# Altium PCB PCB1.PcbDoc (part 2 of 3) (continued)
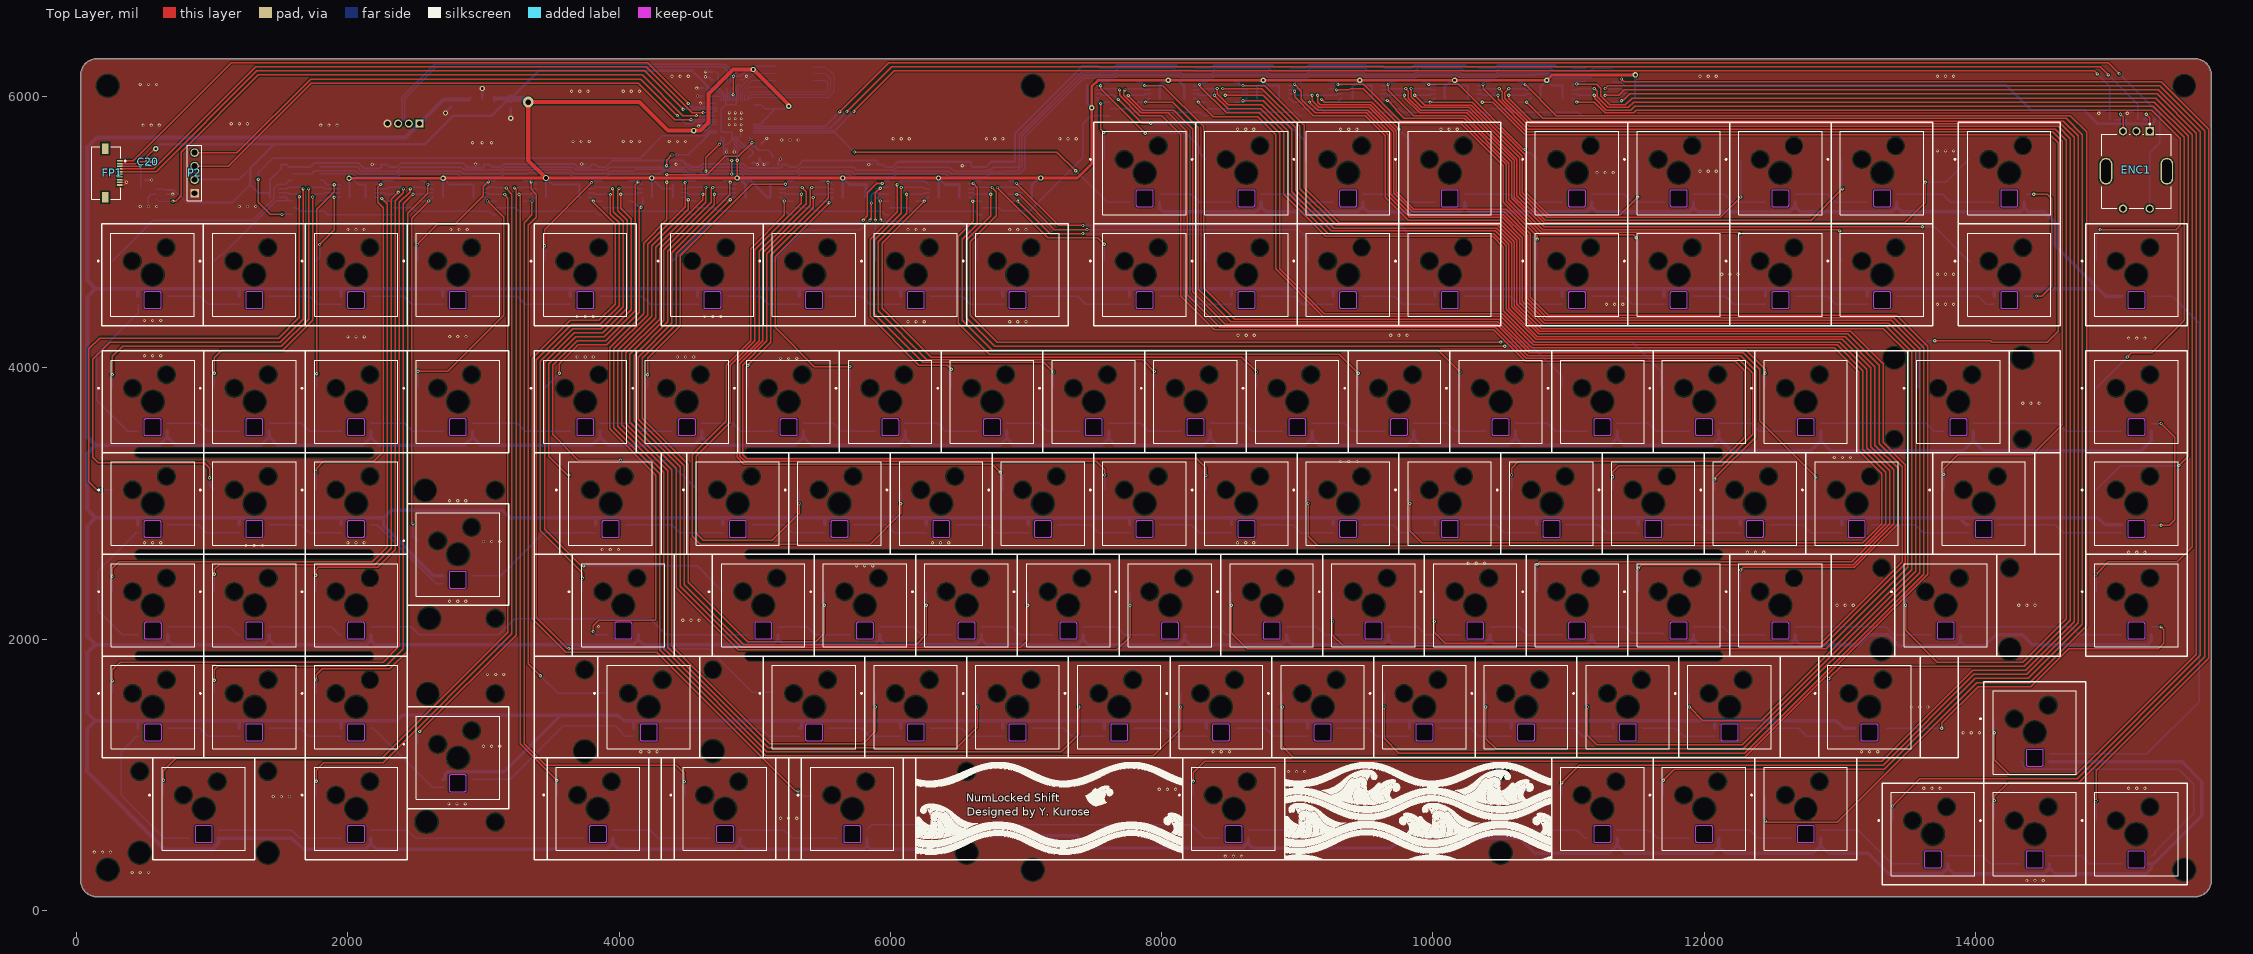
[diagram p0: Top Layer view]
## Nets (pads, with @x,y where several pads share a name; then routed paths per layer and width w, separated by ;. In a path a pad name is that pad's centre, name@x,y a point inside that pad or via, vN(x,y) a via of type N, cw(c..) or ccw(c..) an arc to the next point about the centre after c; other vN are vias at no path point) (continued)
  other v3: 4813.38,5793.38 4856.69,5793.38 4813.38,5836.69 4856.69,5836.69 4900,5836.69 4813.38,5880 4856.69,5880 4900,5880
I2C0_SCL_Display: P2.3 U3.35 | length 4208.8
  Top Layer w10: P2.3@870,5487.5 1117.5,5487.5 1120,5490 1730,6100 4140,6100 4411.81,5828.19 4528.19,5828.19 v1(4530,5830)
  Bottom Layer w10: v1(4530,5830) 4531.6,5828.4 U3.35@4711.1,5828.4
I2C0_SDA_Display: P2.4 U3.34 | length 4220.6
  Top Layer w10: P2.4@870,5587.5 1182.5,5587.5 1725,6130 4160,6130 v1(4430,5860)
  Bottom Layer w10: v1(4430,5860) 4490,5800 4540,5800 4553.07,5813.07 U3.34@4723.82,5813.07
KBLIGHT_ROW1END: LED28.2 LED29.4 | length 561.9
  Bottom Layer w10: LED28.2@668.8,3592.03 907.97,3592.03 967.03,3532.97 LED29.4@1206.2,3532.97
KBLIGHT_ROW2END: LED56.2 LED57.4 | length 561.9
  Bottom Layer w10: LED57.4@7231.3,2842.03 7477.97,2842.03 7537.03,2782.97 LED56.2@7768.7,2782.97
KBLIGHT_ROW3END: LED84.2 LED85.4 | length 561.9
  Bottom Layer w10: LED85.4@11543.8,1342.03 11787.97,1342.03 11847.03,1282.97 LED84.2@12081.2,1282.97
KBLIGHTING_IN: LED1.4 U3.14 | length 2989
  Top Layer w10: v1(5734.7,5591.55) 7228.45,5591.55 7366.28,5453.72 v1(7366.28,5453.52)
  Bottom Layer w10: U3.14@4989.57,5734.33 5591.92,5734.33 v1(5734.7,5591.55) ; v1(7366.28,5453.52) 7366.81,5453.52 7599.86,5220.47 LED1.4@7765.59,5220.47
"MATRIX QH": U3.30 U4.9 | length 4023
  Top Layer w10: v1(1340,5390) 1340,5220 1428.08,5131.92 v1(1514.65,5131.92)
  Bottom Layer w10: v1(1340,5390) 1340,5440 1447.5,5547.5 4157.5,5547.5 4320,5710 4630,5710 4670.08,5750.08 U3.30@4723.82,5750.08 ; v1(1514.65,5131.92) 1514.94,5132.21 1593.75,5132.21 U4.9@1594.04,5132.5
"MATRIX SH/LD": U3.29 U4.1 U5.1 U6.1 U7.1 U8.1 U9.1 U10.1 U11.1 U12.1 U13.1 U14.1 U15.1 U16.1 U17.1 | length 10684.6
  Top Layer w10: v1(4350,5490) 4350,5530 v1(4390,5570)
  Bottom Layer w10: U4.1@1790.96,5482.5 2067.5,5482.5 2098.41,5451.59 2362.42,5451.59 2391.24,5480.41 U5.1@2531.9,5480.41 2836.77,5480.41 2857.96,5459.23 3130.35,5459.23 3151.53,5480.41 U6.1@3292.18,5480.41 3659.59,5480.41 3680,5460 3839.7,5460 3840.47,5459.23 3910.63,5459.23 3931.81,5480.41 4337.33,5480.41 4346.92,5490 4351.29,5490 4362.67,5478.62 4504.55,5478.62 4523.94,5459.23 4600.92,5459.23 4622.1,5480.41 U8.1@4762.76,5480.41 4909.59,5480.41 4938.41,5451.59 5310.43,5451.59 5339.25,5480.41 U9.1@5479.9,5480.41 5729.59,5480.41 5753.25,5456.75 6022.73,5456.75 6046.39,5480.41 U10.1@6187.05,5480.41 6439.59,5480.41 6470,5450 6640.6,5450 6642.19,5451.59 6704.72,5451.59 6713.54,5460.41 6740.41,5460.41 6760.41,5480.41 U11.1@6874.19,5480.41 6944.14,5480.41 6950,5486.27 6950,5720 7410,6180 7584.32,6180 7585.05,6180.73 7647.58,6180.73 7676.4,6209.55 U12.1@7817.05,6209.55 8090.45,6209.55 8104.27,6195.73 8234.63,6195.73 8241.99,6188.37 8372.36,6188.37 8393.54,6209.55 U13.1@8534.2,6209.55 8790.45,6209.55 8811.63,6188.37 9072.11,6188.37 9093.29,6209.55 U14.1@9233.94,6209.55 9500.45,6209.55 9521.63,6188.37 9862.72,6188.37 9870.08,6195.73 9878.36,6195.73 U15.1@9892.18,6209.55 ; v1(4390,5570) 4511.21,5570 4675.54,5734.33 U3.29@4723.82,5734.33 ; U15.1@9918.49,6209.55 10210.45,6209.55 10231.63,6188.37 10463.8,6188.37 10484.98,6209.55 U16.1@10625.63,6209.55 10870.45,6209.55 10891.63,6188.37 11160.94,6188.37 11182.12,6209.55 U17.1@11322.78,6209.55
MCU_USB_D_N: R6.2 U3.46 | length 103.5
  Bottom Layer w10: R6.2@4785.15,6064.74 4787.07,6064.74 4791.91,6059.9 4791.91,6036.99 4795.77,6033.13 4795.95,6033.13 4801.8,6027.28 4801.8,6002.43 4801.95,6002.28 4801.95,5969.94 U3.46@4801.57,5969.57
MCU_USB_D_P: R5.2 U3.47 | length 104.4
  Bottom Layer w10: 4816.8,6027.48 4816.8,6008.64 4816.95,6008.5 4816.95,5969.94 U3.47@4817.32,5969.57 ; 4816.89,6027.39 4829.6,6040.1 4829.6,6060.1 4834.44,6064.94 R5.2@4835.86,6064.94
MCU_USB_D_R_N: P1.2 R6.1 | length 2778.5
  Bottom Layer w10: P1.2@2449.37,5801.65 2420,5831.02 2420,5990 2650,6220 4769.3,6220 4798.43,6190.88 4798.43,6117.39 R6.1@4785.15,6104.11
MCU_USB_D_R_P: P1.3 R5.1 | length 2847.5
  Bottom Layer w10: P1.3@2370.63,5801.65 2400,5831.02 2400,5998.28 2641.72,6240 4777.59,6240 4821.58,6196.01 4821.58,6118.6 4829.05,6111.13 4829.05,6109.16 4833.9,6104.31 R5.1@4835.86,6104.31
NetENC1_A: ENC1.A R1.1 R2.2 | length 234.6
  Top Layer w10: v1(15260,5870) 15285.93,5844.07 ENC1.A@15285.93,5745.28 ENC1.A@15287.72,5747.07
  Bottom Layer w10: v1(15260,5870) 15258.47,5868.47 15258.47,5850.44 15239.02,5830.99 15239.02,5830 R1.1@15283.58,5830 ; ENC1.A@15283.58,5747.62 ENC1.A@15285.93,5745.28
NetENC1_B: ENC1.B R3.2 R4.2 | length 230.3
  Top Layer w10: v1(15070,5870) 15089.07,5850.93 ENC1.B@15089.07,5745.28
  Bottom Layer w10: R3.2@15027.72,5830 R3.2@15029.69,5830 R4.2@15070.31,5830 R4.2@15072.28,5830 ; v1(15070,5870) 15071.14,5868.86 R4.2@15071.14,5831.14 ; ENC1.B@15089.07,5745.28 ENC1.B@15089.07,5759.08
NetLED1_2: LED1.2 LED2.4 | length 561.9
  Bottom Layer w10: LED1.2@7981.3,5279.53 8220.47,5279.53 8279.53,5220.47 LED2.4@8518.7,5220.47
NetLED2_2: LED2.2 LED3.4 | length 561.9
  Bottom Layer w10: LED2.2@8731.3,5279.53 8960.47,5279.53 9019.53,5220.47 LED3.4@9268.7,5220.47
NetLED3_2: LED3.2 LED4.4 | length 561.9
  Bottom Layer w10: LED3.2@9481.3,5279.53 9720.47,5279.53 9779.53,5220.47 LED4.4@10018.7,5220.47
NetLED4_2: LED4.2 LED5.4 | length 749.4
  Bottom Layer w10: LED4.2@10231.3,5279.53 10570.47,5279.53 10629.53,5220.47 LED5.4@10956.2,5220.47
NetLED5_2: LED5.2 LED6.4 | length 561.9
  Bottom Layer w10: LED5.2@11168.8,5279.53 11410.47,5279.53 11469.53,5220.47 LED6.4@11706.2,5220.47
NetLED6_2: LED6.2 LED7.4 | length 561.9
  Bottom Layer w10: LED6.2@11918.8,5279.53 12150.47,5279.53 12209.53,5220.47 LED7.4@12456.2,5220.47
NetLED7_2: LED7.2 LED8.4 | length 561.9
  Bottom Layer w10: LED7.2@12668.8,5279.53 12910.47,5279.53 12969.53,5220.47 LED8.4@13206.2,5220.47
NetLED8_2: LED8.2 LED9.4 | length 749.4
  Bottom Layer w10: LED8.2@13418.8,5279.53 13760.47,5279.53 13819.53,5220.47 LED9.4@14143.7,5220.47
NetLED9_2: LED9.2 LED10.4 | length 1079.2
  Top Layer w10: v1(14430,5280) 14530,5280 14562.83,5247.17 14562.83,4602.83 14490,4530 v1(14450,4530)
  Bottom Layer w10: LED10.4@14359.41,4529.53 14359.88,4530 v1(14450,4530) ; LED9.2@14375.59,5279.53 14376.06,5280 v1(14430,5280)
NetLED10_2: LED10.2 LED11.4 | length 746.3
  Bottom Layer w10: LED11.4@13421.91,4529.53 14020.47,4529.53 14079.53,4470.47 LED10.2@14143.7,4470.47
NetLED11_2: LED11.2 LED12.4 | length 561.9
  Bottom Layer w10: LED12.4@12668.8,4529.53 12910.47,4529.53 12969.53,4470.47 LED11.2@13206.2,4470.47
NetLED12_2: LED12.2 LED13.4 | length 561.9
  Bottom Layer w10: LED13.4@11918.8,4529.53 12160.47,4529.53 12219.53,4470.47 LED12.2@12456.2,4470.47
NetLED13_2: LED13.2 LED14.4 | length 561.9
  Bottom Layer w10: LED14.4@11168.8,4529.53 11410.47,4529.53 11469.53,4470.47 LED13.2@11706.2,4470.47
NetLED14_2: LED14.2 LED15.4 | length 749.4
  Bottom Layer w10: LED15.4@10231.3,4529.53 10570.47,4529.53 10629.53,4470.47 LED14.2@10956.2,4470.47
NetLED15_2: LED15.2 LED16.4 | length 561.9
  Bottom Layer w10: LED16.4@9481.3,4529.53 9720.47,4529.53 9779.53,4470.47 LED15.2@10018.7,4470.47
NetLED16_2: LED16.2 LED17.4 | length 561.9
  Bottom Layer w10: LED17.4@8731.3,4529.53 8980.47,4529.53 9039.53,4470.47 LED16.2@9268.7,4470.47
NetLED17_2: LED17.2 LED18.4 | length 561.9
  Bottom Layer w10: LED18.4@7981.3,4529.53 8210.47,4529.53 8269.53,4470.47 LED17.2@8518.7,4470.47
NetLED18_2: LED18.2 LED19.4 | length 744.4
  Bottom Layer w10: LED19.4@7048.8,4529.53 7380.47,4529.53 7439.53,4470.47 LED18.2@7768.7,4470.47
NetLED19_2: LED19.2 LED20.4 | length 566.9
  Bottom Layer w10: LED20.4@6293.8,4529.53 6530.47,4529.53 6589.53,4470.47 LED19.2@6836.2,4470.47
NetLED20_2: LED20.2 LED21.4 | length 556.9
  Bottom Layer w10: LED21.4@5548.8,4529.53 5790.47,4529.53 5849.53,4470.47 LED20.2@6081.2,4470.47
NetLED21_2: LED21.2 LED22.4 | length 561.9
  Bottom Layer w10: LED22.4@4798.8,4529.53 5040.47,4529.53 5099.53,4470.47 LED21.2@5336.2,4470.47
NetLED22_2: LED22.2 LED23.4 | length 754.4
  Bottom Layer w10: LED23.4@3856.3,4529.53 4170.47,4529.53 4229.53,4470.47 LED22.2@4586.2,4470.47
NetLED23_2: LED23.2 LED24.4 | length 749.4
  Bottom Layer w10: LED24.4@2918.8,4529.53 3250.47,4529.53 3309.53,4470.47 LED23.2@3643.7,4470.47
NetLED24_2: LED24.2 LED25.4 | length 561.9
  Bottom Layer w10: LED25.4@2168.8,4529.53 2410.47,4529.53 2469.53,4470.47 LED24.2@2706.2,4470.47
NetLED25_2: LED25.2 LED26.4 | length 561.9
  Bottom Layer w10: LED26.4@1418.8,4529.53 1720.47,4529.53 1779.53,4470.47 LED25.2@1956.2,4470.47
NetLED26_2: LED26.2 LED27.4 | length 561.9
  Bottom Layer w10: LED27.4@668.8,4529.53 910.47,4529.53 969.53,4470.47 LED26.2@1206.2,4470.47
NetLED27_2: LED27.2 LED28.4 | length 1237.5
  Bottom Layer w10: LED28.4@456.2,3532.97 377.03,3532.97 150,3760 150,4100 456.2,4406.2 LED27.2@456.2,4470.47
NetLED29_2: LED29.2 LED30.4 | length 561.9
  Bottom Layer w10: LED29.2@1418.8,3592.03 1657.97,3592.03 1717.03,3532.97 LED30.4@1956.2,3532.97
NetLED30_2: LED30.2 LED31.4 | length 561.9
  Bottom Layer w10: LED30.2@2168.8,3592.03 2417.97,3592.03 2477.03,3532.97 LED31.4@2706.2,3532.97
NetLED31_2: LED31.2 LED32.4 | length 749.4
  Bottom Layer w10: LED31.2@2918.8,3592.03 3247.97,3592.03 3307.03,3532.97 LED32.4@3643.7,3532.97
NetLED32_2: LED32.2 LED33.4 | length 561.9
  Bottom Layer w10: LED32.2@3856.3,3592.03 4087.97,3592.03 4147.03,3532.97 LED33.4@4393.7,3532.97
NetLED33_2: LED33.2 LED34.4 | length 561.9
  Bottom Layer w10: LED33.2@4606.3,3592.03 4837.97,3592.03 4897.03,3532.97 LED34.4@5143.7,3532.97
NetLED34_2: LED34.2 LED35.4 | length 561.9
  Bottom Layer w10: LED34.2@5356.3,3592.03 5577.97,3592.03 5637.03,3532.97 LED35.4@5893.7,3532.97
NetLED35_2: LED35.2 LED36.4 | length 561.9
  Bottom Layer w10: LED35.2@6106.3,3592.03 6347.97,3592.03 6407.03,3532.97 LED36.4@6643.7,3532.97
NetLED36_2: LED36.2 LED37.4 | length 561.9
  Bottom Layer w10: LED36.2@6856.3,3592.03 7097.97,3592.03 7157.03,3532.97 LED37.4@7393.7,3532.97
NetLED37_2: LED37.2 LED38.4 | length 561.9
  Bottom Layer w10: LED37.2@7606.3,3592.03 7847.97,3592.03 7907.03,3532.97 LED38.4@8143.7,3532.97
NetLED38_2: LED38.2 LED39.4 | length 561.9
  Bottom Layer w10: LED38.2@8356.3,3592.03 8607.97,3592.03 8667.03,3532.97 LED39.4@8893.7,3532.97
NetLED39_2: LED39.2 LED40.4 | length 561.9
  Bottom Layer w10: LED39.2@9106.3,3592.03 9347.97,3592.03 9407.03,3532.97 LED40.4@9643.7,3532.97
NetLED40_2: LED40.2 LED41.4 | length 561.9
  Bottom Layer w10: LED40.2@9856.3,3592.03 10107.97,3592.03 10167.03,3532.97 LED41.4@10393.7,3532.97
NetLED41_2: LED41.2 LED42.4 | length 561.9
  Bottom Layer w10: LED41.2@10606.3,3592.03 10847.97,3592.03 10907.03,3532.97 LED42.4@11143.7,3532.97
NetLED42_2: LED42.2 LED43.4 | length 561.9
  Bottom Layer w10: LED42.2@11356.3,3592.03 11587.97,3592.03 11647.03,3532.97 LED43.4@11893.7,3532.97
NetLED43_2: LED43.2 LED44.4 | length 561.9
  Bottom Layer w10: LED43.2@12106.3,3592.03 12347.97,3592.03 12407.03,3532.97 LED44.4@12643.7,3532.97
NetLED44_2: LED44.2 LED45.4 | length 936.9
  Bottom Layer w10: LED44.2@12856.3,3592.03 13637.97,3592.03 13697.03,3532.97 LED45.4@13768.7,3532.97
NetLED45_2: LED45.2 LED46.4 | length 1124.4
  Bottom Layer w10: LED45.2@13981.3,3592.03 14607.97,3592.03 14667.03,3532.97 LED46.4@15081.2,3532.97
NetLED46_2: LED46.2 LED47.4 | length 1015.9
  Top Layer w10: v1(15370,2840) 15430,2840 15470,2880 15470,3490 v1(15370,3590)
  Bottom Layer w10: LED47.4@15296.91,2842.03 15298.94,2840 v1(15370,2840) ; LED46.2@15296.91,3592.03 15298.94,3590 v1(15370,3590)
NetLED47_2: LED47.2 LED48.4 | length 936.9
  Bottom Layer w10: LED48.4@14168.8,2842.03 14587.97,2842.03 14647.03,2782.97 LED47.2@15081.2,2782.97
NetLED48_2: LED48.2 LED49.4 | length 749.4
  Bottom Layer w10: LED49.4@13231.3,2842.03 13557.97,2842.03 13617.03,2782.97 LED48.2@13956.2,2782.97
NetLED49_2: LED49.2 LED50.4 | length 561.9
  Bottom Layer w10: LED50.4@12481.3,2842.03 12727.97,2842.03 12787.03,2782.97 LED49.2@13018.7,2782.97
NetLED50_2: LED50.2 LED51.4 | length 561.9
  Bottom Layer w10: LED51.4@11731.3,2842.03 11967.97,2842.03 12027.03,2782.97 LED50.2@12268.7,2782.97
NetLED51_2: LED51.2 LED52.4 | length 561.9
  Bottom Layer w10: LED52.4@10981.3,2842.03 11217.97,2842.03 11277.03,2782.97 LED51.2@11518.7,2782.97
NetLED52_2: LED52.2 LED53.4 | length 561.9
  Bottom Layer w10: LED53.4@10231.3,2842.03 10467.97,2842.03 10527.03,2782.97 LED52.2@10768.7,2782.97
NetLED53_2: LED53.2 LED54.4 | length 561.9
  Bottom Layer w10: LED54.4@9481.3,2842.03 9707.97,2842.03 9767.03,2782.97 LED53.2@10018.7,2782.97
NetLED54_2: LED54.2 LED55.4 | length 561.9
  Bottom Layer w10: LED55.4@8731.3,2842.03 8967.97,2842.03 9027.03,2782.97 LED54.2@9268.7,2782.97
NetLED55_2: LED55.2 LED56.4 | length 561.9
  Bottom Layer w10: LED56.4@7981.3,2842.03 8217.97,2842.03 8277.03,2782.97 LED55.2@8518.7,2782.97
NetLED57_2: LED57.2 LED58.4 | length 561.9
  Bottom Layer w10: LED58.4@6481.3,2842.03 6717.97,2842.03 6777.03,2782.97 LED57.2@7018.7,2782.97
NetLED58_2: LED58.2 LED59.4 | length 561.9
  Bottom Layer w10: LED59.4@5731.3,2842.03 5967.97,2842.03 6027.03,2782.97 LED58.2@6268.7,2782.97
NetLED59_2: LED59.2 LED60.4 | length 561.9
  Bottom Layer w10: LED60.4@4981.3,2842.03 5217.97,2842.03 5277.03,2782.97 LED59.2@5518.7,2782.97
NetLED60_2: LED60.2 LED61.4 | length 749.4
  Bottom Layer w10: LED61.4@4043.8,2842.03 4387.97,2842.03 4447.03,2782.97 LED60.2@4768.7,2782.97
NetLED61_2: LED61.2 LED62.4 | length 1043.3
  Bottom Layer w10: LED62.4@2918.8,2467.03 3127.03,2467.03 3442.97,2782.97 LED61.2@3831.2,2782.97
NetLED62_2: LED62.2 LED63.4 | length 717.2
  Bottom Layer w10: LED63.4@2168.8,2842.03 2217.97,2842.03 2652.03,2407.97 LED62.2@2706.2,2407.97
NetLED63_2: LED63.2 LED64.4 | length 561.9
  Bottom Layer w10: LED64.4@1418.8,2842.03 1657.97,2842.03 1717.03,2782.97 LED63.2@1956.2,2782.97
NetLED64_2: LED64.2 LED65.4 | length 561.9
  Bottom Layer w10: LED65.4@668.8,2842.03 897.97,2842.03 957.03,2782.97 LED64.2@1206.2,2782.97
NetLED65_2: LED65.2 LED66.4 | length 1078
  Bottom Layer w10: LED66.4@456.2,2032.97 337.03,2032.97 160,2210 160,2506.06 423.27,2769.33 423.27,2771.83 434.41,2782.97 LED65.2@456.2,2782.97
NetLED66_2: LED66.2 LED67.4 | length 561.8
  Bottom Layer w10: LED66.2@668.8,2092.03 1128.05,2092.03 1186.91,2033.17 LED67.4@1206.2,2033.17
NetLED67_2: LED67.2 LED68.4 | length 561.9
  Bottom Layer w10: LED67.2@1418.8,2092.22 1877.66,2092.22 1936.91,2032.97 LED68.4@1956.2,2032.97
NetLED68_2: LED68.2 LED70.4 | length 2905.7
  Bottom Layer w10: LED68.2@2168.8,2092.03 2467.97,2092.03 2527.03,2032.97 3112.97,2032.97 3230,2150 4230,2150 4347.03,2032.97 LED70.4@4953.09,2032.97
NetLED70_2: LED70.2 LED71.4 | length 561.9
  Bottom Layer w10: LED70.2@5168.8,2092.03 5387.97,2092.03 5447.03,2032.97 LED71.4@5706.2,2032.97
NetLED71_2: LED71.2 LED72.4 | length 561.9
  Bottom Layer w10: LED71.2@5918.8,2092.03 6167.97,2092.03 6227.03,2032.97 LED72.4@6456.2,2032.97
NetLED72_2: LED72.2 LED73.4 | length 561.9
  Bottom Layer w10: LED72.2@6668.8,2092.03 6897.97,2092.03 6957.03,2032.97 LED73.4@7206.2,2032.97
NetLED73_2: LED73.2 LED74.4 | length 561.9
  Bottom Layer w10: LED73.2@7418.8,2092.03 7667.97,2092.03 7727.03,2032.97 LED74.4@7956.2,2032.97
NetLED74_2: LED74.2 LED75.4 | length 561.9
  Bottom Layer w10: LED74.2@8168.8,2092.03 8417.97,2092.03 8477.03,2032.97 LED75.4@8706.2,2032.97
NetLED75_2: LED75.2 LED76.4 | length 561.9
  Bottom Layer w10: LED75.2@8918.8,2092.03 9147.97,2092.03 9207.03,2032.97 LED76.4@9456.2,2032.97
NetLED76_2: LED76.2 LED77.4 | length 561.9
  Bottom Layer w10: LED76.2@9668.8,2092.03 9887.97,2092.03 9947.03,2032.97 LED77.4@10206.2,2032.97
NetLED77_2: LED77.2 LED78.4 | length 561.9
  Bottom Layer w10: LED77.2@10418.8,2092.03 10637.97,2092.03 10697.03,2032.97 LED78.4@10956.2,2032.97
NetLED78_2: LED78.2 LED79.4 | length 561.9
  Bottom Layer w10: LED78.2@11168.8,2092.03 11417.97,2092.03 11465.89,2044.11 11695.06,2044.11 LED79.4@11706.2,2032.97
NetLED79_2: LED79.2 LED80.4 | length 561.9
  Bottom Layer w10: LED79.2@11918.8,2092.03 12137.97,2092.03 12197.03,2032.97 LED80.4@12456.2,2032.97
NetLED80_2: LED80.2 LED81.4 | length 1030.6
  Bottom Layer w10: LED80.2@12668.8,2092.03 13337.97,2092.03 13397.03,2032.97 LED81.4@13674.95,2032.97
NetLED81_2: LED81.2 LED82.4 | length 1218.1
  Bottom Layer w10: LED81.2@13887.55,2092.03 14707.97,2092.03 14767.03,2032.97 LED82.4@15081.2,2032.97
NetLED82_2: LED82.2 LED83.4 | length 2531.7
  Top Layer w10: v1(13752.79,1342.26) 13752.79,1382.79 14020,1650 14410,1650 14690,1930 15350,1930 15390,1970 15390,2070 v1(15370,2090)
  Bottom Layer w10: LED83.4@13344.34,1342.03 13344.57,1342.26 v1(13752.79,1342.26) ; LED82.2@15296.91,2092.03 15298.94,2090 v1(15370,2090)
NetLED83_2: LED83.2 LED84.4 | length 843.1
  Bottom Layer w10: LED84.4@12293.8,1342.03 12697.97,1342.03 12757.03,1282.97 LED83.2@13112.45,1282.97
NetLED85_2: LED85.2 LED86.4 | length 561.9
  Bottom Layer w10: LED86.4@10793.8,1342.03 11047.97,1342.03 11107.03,1282.97 LED85.2@11331.2,1282.97
NetLED86_2: LED86.2 LED87.4 | length 561.9
  Bottom Layer w10: LED87.4@10043.8,1342.03 10277.97,1342.03 10337.03,1282.97 LED86.2@10581.2,1282.97
NetLED87_2: LED87.2 LED88.4 | length 561.9
  Bottom Layer w10: LED88.4@9293.8,1342.03 9527.97,1342.03 9587.03,1282.97 LED87.2@9831.2,1282.97
NetLED88_2: LED88.2 LED89.4 | length 561.9
  Bottom Layer w10: LED89.4@8543.8,1342.03 8767.97,1342.03 8827.03,1282.97 LED88.2@9081.2,1282.97
NetLED89_2: LED89.2 LED90.4 | length 561.9
  Bottom Layer w10: LED90.4@7793.8,1342.03 8027.97,1342.03 8087.03,1282.97 LED89.2@8331.2,1282.97
NetLED90_2: LED90.2 LED91.4 | length 561.9
  Bottom Layer w10: LED91.4@7043.8,1342.03 7277.97,1342.03 7337.03,1282.97 LED90.2@7581.2,1282.97
NetLED91_2: LED91.2 LED92.4 | length 561.9
  Bottom Layer w10: LED92.4@6293.8,1342.03 6527.97,1342.03 6587.03,1282.97 LED91.2@6831.2,1282.97
NetLED92_2: LED92.2 LED93.4 | length 561.9
  Bottom Layer w10: LED93.4@5543.8,1342.03 5787.97,1342.03 5847.03,1282.97 LED92.2@6081.2,1282.97
NetLED93_2: LED93.2 LED94.4 | length 1030.6
  Bottom Layer w10: LED94.4@4325.05,1342.03 5047.97,1342.03 5107.03,1282.97 LED93.2@5331.2,1282.97
NetLED94_2: LED94.2 LED95.4 | length 1385.2
  Bottom Layer w10: LED95.4@2918.8,967.03 3197.03,967.03 3590,1360 3970,1360 4047.03,1282.97 LED94.2@4109.34,1282.97
NetLED95_2: LED95.2 LED96.4 | length 717.2
  Bottom Layer w10: LED96.4@2168.8,1342.03 2188.09,1342.03 2622.15,907.97 LED95.2@2706.2,907.97
NetLED96_2: LED96.2 LED97.4 | length 561.9
  Bottom Layer w10: LED97.4@1418.8,1342.03 1647.97,1342.03 1707.03,1282.97 LED96.2@1956.2,1282.97
NetLED97_2: LED97.2 LED98.4 | length 561.9
  Bottom Layer w10: LED98.4@668.8,1342.03 907.97,1342.03 967.03,1282.97 LED97.2@1206.2,1282.97
NetLED98_2: LED98.2 LED99.4 | length 1129.6
  Bottom Layer w10: LED98.2@456.2,1282.97 436.91,1282.97 425.77,1271.83 425.77,1264.89 330,1169.12 330,849.12 646.15,532.97 LED99.4@831.2,532.97
NetLED99_2: LED99.2 LED100.4 | length 936.9
  Bottom Layer w10: LED99.2@1043.8,592.03 1587.97,592.03 1647.03,532.97 LED100.4@1956.2,532.97
NetLED100_2: LED100.2 LED101.4 | length 1593.1
  Bottom Layer w10: LED100.2@2168.8,592.03 2437.97,592.03 2497.03,532.97 LED101.4@3737.45,532.97
NetLED101_2: LED101.2 LED102.4 | length 749.4
  Bottom Layer w10: LED101.2@3950.05,592.03 4227.97,592.03 4287.03,532.97 LED102.4@4674.95,532.97
NetLED102_2: LED102.2 LED103.4 | length 749.4
  Bottom Layer w10: LED102.2@4887.55,592.03 5217.97,592.03 5277.03,532.97 LED103.4@5612.45,532.97
NetLED103_2: LED103.2 LED104.4 | length 2655.8
  Bottom Layer w10: LED103.2@5825.05,592.03 5863.02,630 8220,630 8317.03,532.97 LED104.4@8424.95,532.97
NetLED104_2: LED104.2 LED105.4 | length 2530.6
  Bottom Layer w10: LED104.2@8637.55,592.03 11065.35,592.03 11124.41,532.97 LED105.4@11143.7,532.97
NetLED105_2: LED105.2 LED106.4 | length 561.9
  Bottom Layer w10: LED105.2@11356.3,592.03 11597.97,592.03 11657.03,532.97 LED106.4@11893.7,532.97
NetLED106_2: LED106.2 LED107.4 | length 561.9
  Bottom Layer w10: LED106.2@12106.3,592.03 12337.97,592.03 12397.03,532.97 LED107.4@12643.7,532.97
NetLED107_2: LED107.2 LED108.4 | length 827
  Bottom Layer w10: LED107.2@12856.3,592.03 13137.97,592.03 13384.53,345.47 LED108.4@13581.2,345.47
NetLED108_2: LED108.2 LED109.4 | length 561.9
  Bottom Layer w10: LED108.2@13793.8,404.53 14055.47,404.53 14114.53,345.47 LED109.4@14331.2,345.47
NetLED109_2: LED109.2 LED110.4 | length 561.9
  Bottom Layer w10: LED109.2@14543.8,404.53 14785.47,404.53 14844.53,345.47 LED110.4@15081.2,345.47
NetLED110_2: LED110.2 LED111.4 | length 2019.1
  Bottom Layer w10: LED111.4@14331.2,1095.47 14338.67,1095.47 14349.81,1084.33 14349.81,1070.19 14380,1040 15500,1040 15610,930 15610,717.62 15322.19,429.81 15322.19,415.67 15311.05,404.53 LED110.2@15296.91,404.53
NetLED111_2: LED111.2 LED112.4 | length 4494.7
  Bottom Layer w10: LED111.2@14543.8,1154.53 15264.53,1154.53 15650,1540 15650,4330 15450.47,4529.53 LED112.4@15293.8,4529.53
NetR7_5: R7.5 SW4.1 U4.3 | length 1724.4
  Top Layer w10: v1(1769.69,3957.37) 1770,3957.69 1770,5170 1900,5300 v1(1900,5350)
  Bottom Layer w10: SW4.1@1764.86,3850 1769.69,3854.82 v1(1769.69,3957.37) ; U4.3@1790.96,5382.5 1817.27,5382.5 1849.77,5350 v1(1900,5350) 1901.33,5351.33 1943.47,5351.33 R7.5@1944.8,5352.66
NetR7_6: R7.6 SW3.1 U4.4 | length 2999.1
  Top Layer w10: v1(264.28,3950.24) 264.28,4084.28 340,4160 1510,4160 1710,4360 v1(1710,5320)
  Bottom Layer w10: v1(264.28,3950.24) 264.28,3850.58 SW3.1@264.86,3850 ; v1(1710,5320) 1713.69,5320 1726.19,5332.5 1820.61,5332.5 1831.95,5321.16 R7.6@1944.8,5321.16
NetR7_7: R7.7 SW2.1 U4.5 | length 2191.8
  Top Layer w10: v1(1014.49,3960.72) 1014.49,4075.3 1069.19,4130 1520,4130 1740,4350 v1(1740,5260)
  Bottom Layer w10: v1(1014.49,3960.72) 1014.49,3850.37 SW2.1@1014.86,3850 ; v1(1740,5260) 1741.08,5260 1763.58,5282.5 U4.5@1790.96,5282.5 1820.61,5282.5 1827.78,5289.66 R7.7@1944.8,5289.66
NetR7_8: R7.8 SW1.1 U4.6 | length 690.9
  Top Layer w10: v1(1791.81,4910) 1791.81,4911.81 1898.8,5018.8 v1(1898.8,5258.3)
  Bottom Layer w10: SW1.1@1764.86,4787.5 1791.81,4814.45 v1(1791.81,4910) ; U4.6@1790.96,5232.5 1817.27,5232.5 1842.94,5258.17 1898.66,5258.17 v1(1898.8,5258.3) 1898.86,5258.24 1944.73,5258.24 R7.8@1944.8,5258.17
NetR8_5: R8.5 SW12.1 U5.3 | length 4501.1
  Top Layer w10: v1(1766.15,1699.03) 1766.15,1736.15 1810,1780 2310,1780 2440,1910 2440,5138.52 2590,5288.52 v1(2590,5352.17)
  Bottom Layer w10: SW12.1@1764.86,1600 1766.15,1601.29 v1(1766.15,1699.03) ; U5.3@2531.9,5380.41 2559.98,5380.41 2588.22,5352.17 v1(2590,5352.17) 2590.24,5352.41 2634.01,5352.41 R8.5@2634.25,5352.66
NetR8_6: R8.6 SW11.1 U5.4 | length 5949.9
  Top Layer w10: v1(263.79,1692.24) 263.79,1773.79 320,1830 2260,1830 2380,1950 2380,5220 2460,5300 v1(2460,5320)
  Bottom Layer w10: v1(263.79,1692.24) 263.79,1601.07 SW11.1@264.86,1600 ; v1(2460,5320) 2463.69,5320 2474.1,5330.41 U5.4@2531.9,5330.41 2534.26,5328.05 2571.95,5328.05 2580,5320 2633.1,5320 R8.6@2634.26,5321.16
NetR8_7: R8.7 SW10.1 U5.5 | length 5172
  Top Layer w10: v1(1014.6,1697.23) 1014.6,1774.6 1040,1800 2280,1800 2410,1930 2410,5210 v1(2480,5280)
  Bottom Layer w10: v1(1014.6,1697.23) 1014.6,1600.27 SW10.1@1014.86,1600 ; v1(2480,5280) 2480.21,5280.21 2531.69,5280.21 U5.5@2531.9,5280.41 2590.41,5280.41 2600,5290 2633.92,5290 R8.7@2634.26,5289.66
NetR8_8: R8.8 SW9.1 U5.6 | length 2690.5
  Top Layer w10: v1(2480,2850) 2470,2860 2470,5103.26 v1(2597.15,5230.41)
  Bottom Layer w10: v1(2480,2850) 2480,2759.86 SW9.1@2514.86,2725 ; U5.6@2531.9,5230.41 v1(2597.15,5230.41) 2624.91,5258.17 R8.8@2634.26,5258.17
NetR9_5: R9.5 SW20.1 U6.3 | length 4388.7
  Top Layer w10: v1(3351.04,5371.66) 3351.04,5316.8 3390,5277.84 3390,5110 3330,5050 3330,1820 v1(3420,1730)
  Bottom Layer w10: U6.3@3292.18,5380.41 3338.89,5380.41 3347.64,5371.66 v1(3351.04,5371.66) 3352.53,5370.16 3367.68,5370.16 3385.19,5352.66 R9.5@3394.54,5352.66 ; v1(3420,1730) 3550,1600 SW20.1@3921.11,1600
NetR9_6: R9.6 SW19.1 U6.4 | length 4577.6
  Top Layer w10: v1(2530,1320) 3240,2030 3240,5314.44 3229.13,5325.31 v1(3229.13,5327.11)
  Bottom Layer w10: SW19.1@2514.86,1225 2514.86,1301.18 2530,1316.31 v1(2530,1320) ; v1(3229.13,5327.11) 3230.78,5328.76 3290.53,5328.76 U6.4@3292.18,5330.41 3349.59,5330.41 3358.84,5321.16 R9.6@3394.54,5321.16
NetR9_7: R9.7 SW18.1 U6.5 | length 4684.4
  Top Layer w10: v1(3261.81,5280) 3261.81,5276.31 3270,5268.12 3270,1230 v1(3540,960)
  Bottom Layer w10: v1(3261.81,5280) 3291.77,5280 U6.5@3292.18,5280.41 3350.41,5280.41 3360,5290 3394.21,5290 R9.7@3394.54,5289.66 ; v1(3540,960) 3540,957.84 3545.13,952.71 SW18.1@3545.13,850